# Altium PCB PCB2.PcbDoc
Units mil, origin at the board's own origin, x right, y up, seen from the top; angles counter-clockwise.
Board outline 3921.64 x 3543.17 mil, 2 copper layers (Top Layer, Bottom Layer); 61 components, 33 nets, 187 pads, 5 vias.
Unrouted connection lines stored in the file: 1.
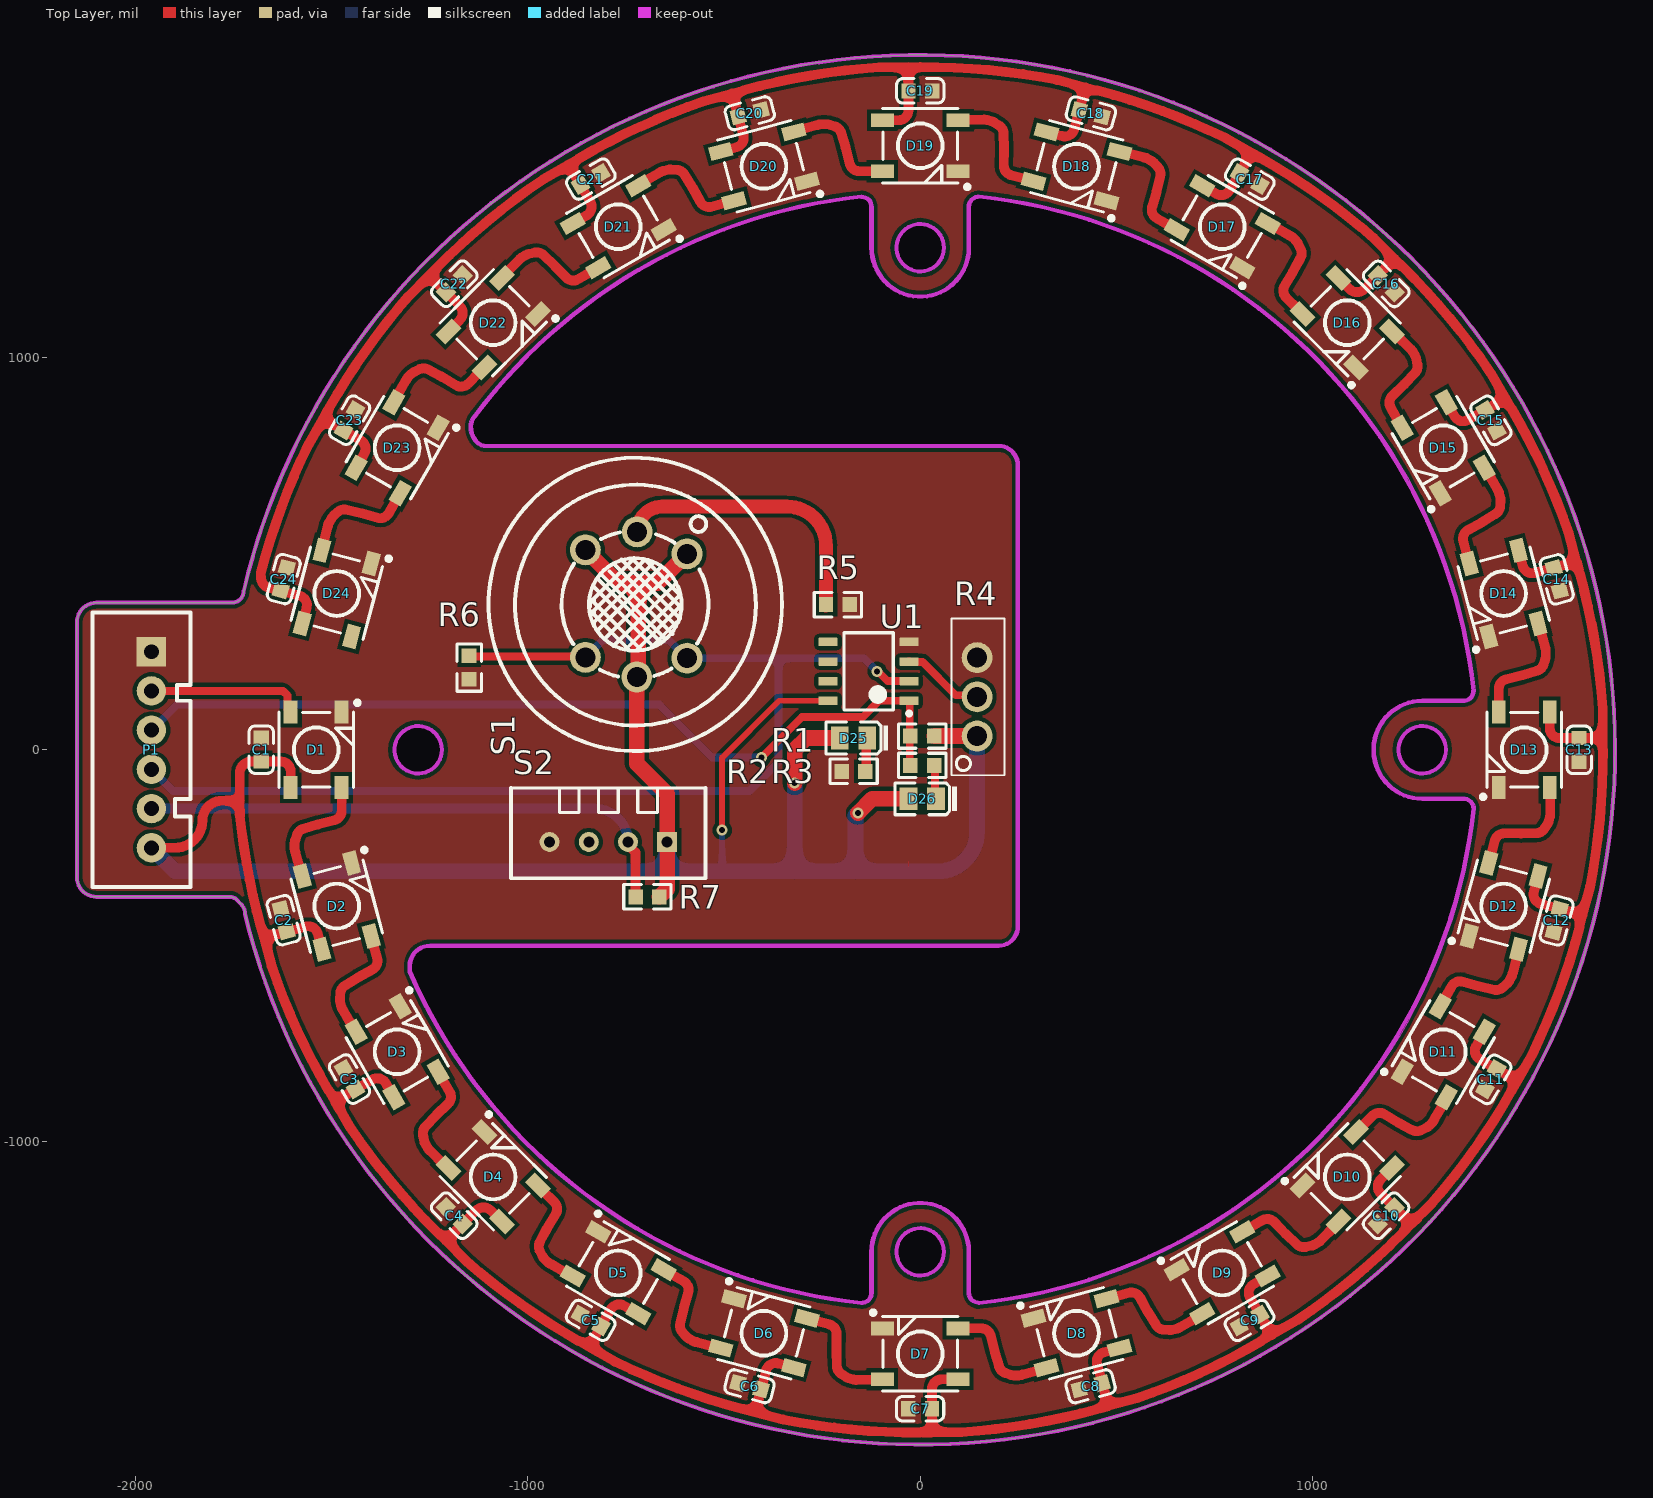
[diagram p0: Top Layer view]
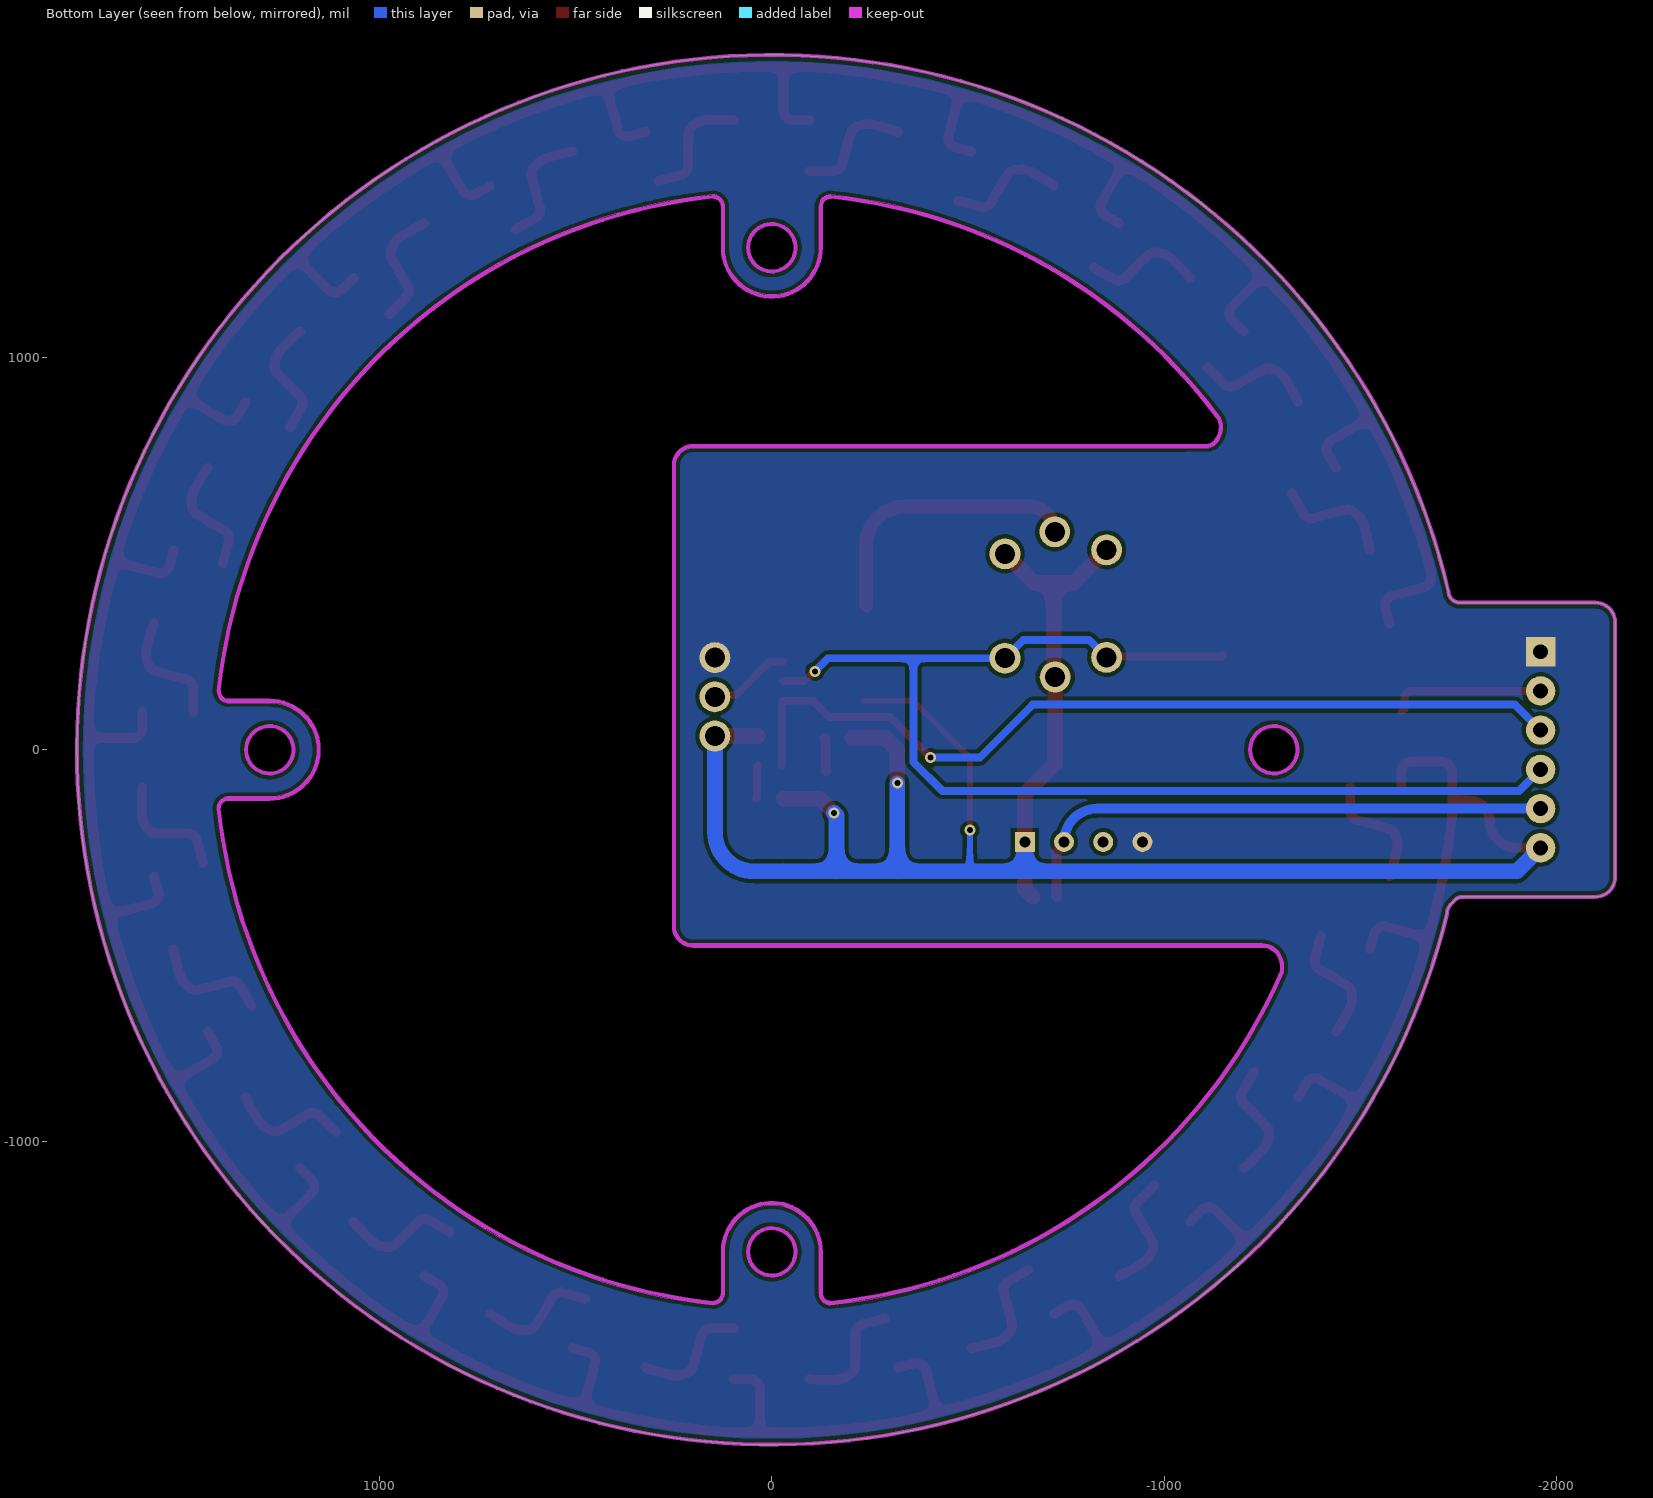
[diagram p1: Bottom Layer view, seen from below]
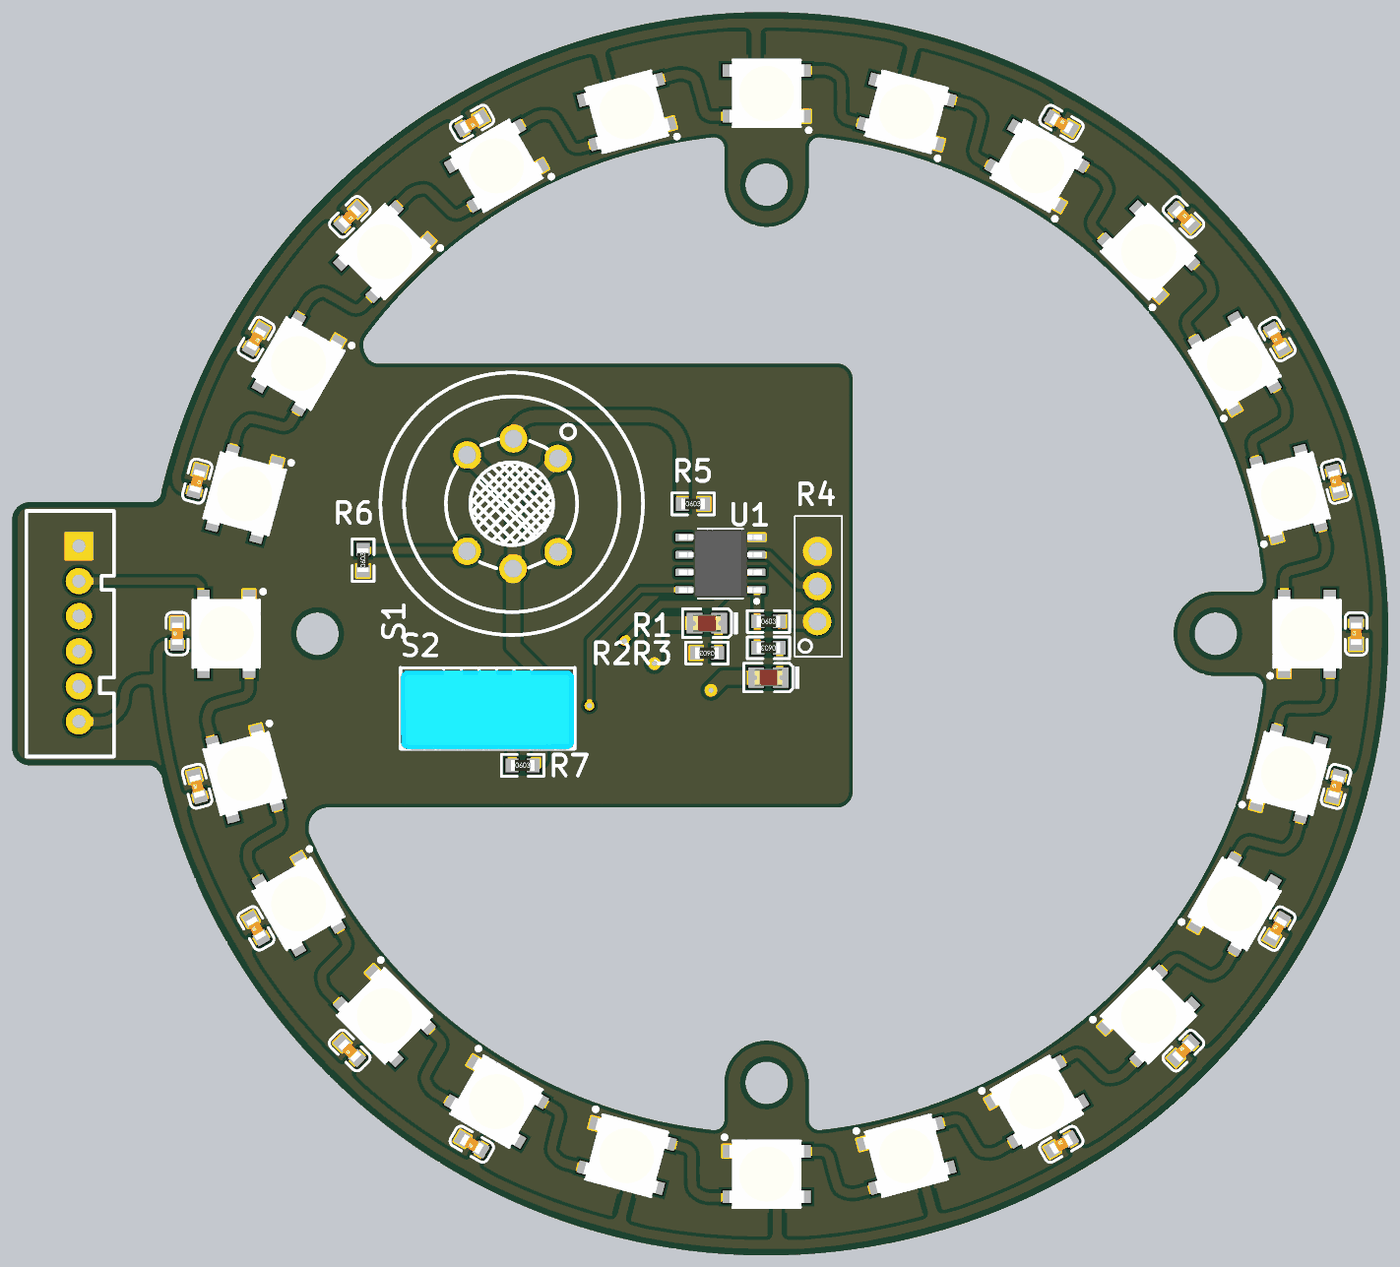
[diagram p2: 3D render of the assembled board from above, using the file's embedded part models]

## Layer stack, top to bottom
Top Solder: solder mask 0.4, Solder Resist, Dk 3.5
Top Layer: signal copper 1.4
Dielectric 1: dielectric 12.6, FR-4, Dk 4.8
Bottom Layer: signal copper 1.4
Bottom Solder: solder mask 0.4, Solder Resist, Dk 3.5

## Board outline
-2100,-375 cw(c-2100,-325) -2150,-325 -2150,325 cw(c-2100,325) -2100,375 -1754.7,375 ccw(c-1754.7,404.94) -1724.75,404.94 cw(c0,0) -1721.37,-419.11 ccw(c-1758.74,-419.11) -1732.31,-392.69 -1742.93,-382.07 ccw(c-1760,-399.14) -1760,-375
cut-out: -1305.22,-565.74 -1305.22,-550 cw(c-1250.21,-550) -1250.21,-494.99 -1250,-494.99 200,-494.99 ccw(c200,-450) 244.98,-450 244.98,725 ccw(c200,725) 200,769.99 -1054.97,769.98 -1108.44,769.98 cw(c-1108.44,802.91) -1131.72,779.63 cw(c-1087.56,823.79) -1150.01,823.79 cw(c-1105.88,823.79) -1137.8,854.27 -1137.17,855.39 cw(c0,0) -150.65,1414.97 -148.64,1414.78 cw(c-150.1,1384.8) -120.09,1384.8 -120.09,1280 ccw(c0,1280) 120.08,1279.11 119.98,1280.2 119.98,1385 cw(c150,1385) 150,1415.02 150.53,1414.99 cw(c0,0) 1414.97,150.65 1414.78,148.64 cw(c1384.8,150.1) 1384.8,120.09 1280,120.09 ccw(c1280,0) 1279.11,-120.08 1280.2,-119.99 1385,-119.99 cw(c1385,-150) 1415.02,-150 1414.99,-150.53 cw(c0,0) 150.65,-1414.97 148.64,-1414.78 cw(c150.1,-1384.8) 120.09,-1384.8 120.09,-1280 ccw(c0,-1280) -120.08,-1279.11 -119.99,-1280.2 -119.99,-1385 cw(c-150,-1385) -150,-1415.02 -150.53,-1414.99 cw(c0,0)
cut-out: 0,1219.57 cw(c0,1280) -60.43,1280 cw(c0,1280) 0,1340.43 cw(c0,1280) 60.43,1280 cw(c0,1280)
cut-out: 1219.57,0 ccw(c1280,0) 1280,-60.43 ccw(c1280,0) 1340.43,0 ccw(c1280,0) 1280,60.43 ccw(c1280,0)
cut-out: -60.43,-1280 ccw(c0,-1280) 0,-1340.43 ccw(c0,-1280) 60.43,-1280 ccw(c0,-1280) 0,-1219.57 ccw(c0,-1280)
cut-out: -1280,-60.43 cw(c-1280,0) -1340.43,0 cw(c-1280,0) -1280,60.43 cw(c-1280,0) -1219.57,0 cw(c-1280,0)

## Design rules (kind name [scope] priority, off if disabled: settings)
Clearance [All] p1: gap=10 ignorepadtopadclearanceinfootprint=FALSE except(0: Arc-Hole Track-Hole SMDPad-Hole THPad-Hole Via-Hole Fill-Hole Poly-Hole Region-Hole Text-Hole)
PlaneConnect [All] p1: planeconnectstyle=Direct reliefexpansion=20 reliefentries=4 reliefconductorwidth=10 reliefairgap=10
PolygonConnect [All] p1: connectstyle=Direct reliefconductorwidth=10 reliefentries=4 polygonreliefangle="90 Angle" airgapwidth=10
RoutingVias [All] p1: holewidth=28 width=50 viastyle="Through Hole" minholewidth=8 minwidth=12 maxholewidth=28 maxwidth=50
SolderMaskExpansion [All] p1: expansion=4 istentingtop=FALSE
Width [All] p1: maxlimit=200 minlimit=10 preferedwidth=20 minimp=50.000000 maximp=50.000000 favimp=50.000000
29 further rules are at their usual default settings.

## Components (designator, comment, footprint, x,y, rotation, side; value= is the part's Value field where it differs from the comment)
C1 "100nF (104) 10% 50V" 0603_C -1680,0.32 r90 top
C2 "100nF (104) 10% 50V" 0603_C -1622.84,-434.51 r105 top
C3 "100nF (104) 10% 50V" 0603_C -1455.08,-839.73 r120 top
C4 "100nF (104) 10% 50V" 0603_C -1188.16,-1187.72 r135 top
C5 "100nF (104) 10% 50V" 0603_C -840.27,-1454.77 r150 top
C6 "100nF (104) 10% 50V" 0603_C -435.12,-1622.67 r345 top
C7 "100nF (104) 10% 50V" 0603_C -0.32,-1680 r0 top
C8 "100nF (104) 10% 50V" 0603_C 434.51,-1622.84 r15 top
C9 "100nF (104) 10% 50V" 0603_C 839.73,-1455.08 r30 top
C10 "100nF (104) 10% 50V" 0603_C 1187.72,-1188.16 r45 top
C11 "100nF (104) 10% 50V" 0603_C 1454.77,-840.27 r60 top
C12 "100nF (104) 10% 50V" 0603_C 1622.67,-435.12 r75 top
C13 "100nF (104) 10% 50V" 0603_C 1680,-0.32 r90 top
C14 "100nF (104) 10% 50V" 0603_C 1622.84,434.51 r105 top
C15 "100nF (104) 10% 50V" 0603_C 1455.08,839.73 r120 top
C16 "100nF (104) 10% 50V" 0603_C 1188.16,1187.72 r315 top
C17 "100nF (104) 10% 50V" 0603_C 840.27,1454.77 r330 top
C18 "100nF (104) 10% 50V" 0603_C 435.12,1622.67 r345 top
C19 "100nF (104) 10% 50V" 0603_C 0.32,1680 r0 top
C20 "100nF (104) 10% 50V" 0603_C -434.51,1622.84 r15 top
C21 "100nF (104) 10% 50V" 0603_C -839.73,1455.08 r210 top
C22 "100nF (104) 10% 50V" 0603_C -1187.72,1188.16 r225 top
C23 "100nF (104) 10% 50V" 0603_C -1454.77,840.27 r240 top
C24 "100nF (104) 10% 50V" 0603_C -1622.67,435.12 r255 top
D1 "WS2812B" 5050-4PIN-WS2812 -1540,0 r90 top
D2 "WS2812B" 5050-4PIN-WS2812 -1487.53,-398.58 r105 top
D3 "WS2812B" 5050-4PIN-WS2812 -1333.68,-770 r120 top
D4 "WS2812B" 5050-4PIN-WS2812 -1088.94,-1088.94 r135 top
D5 "WS2812B" 5050-4PIN-WS2812 -770,-1333.68 r150 top
D6 "WS2812B" 5050-4PIN-WS2812 -398.58,-1487.53 r165 top
D7 "WS2812B" 5050-4PIN-WS2812 0,-1540 r180 top
D8 "WS2812B" 5050-4PIN-WS2812 398.58,-1487.53 r195 top
D9 "WS2812B" 5050-4PIN-WS2812 770,-1333.68 r210 top
D10 "WS2812B" 5050-4PIN-WS2812 1088.94,-1088.94 r225 top
D11 "WS2812B" 5050-4PIN-WS2812 1333.68,-770 r240 top
D12 "WS2812B" 5050-4PIN-WS2812 1487.53,-398.58 r255 top
D13 "WS2812B" 5050-4PIN-WS2812 1540,0 r270 top
D14 "WS2812B" 5050-4PIN-WS2812 1487.53,398.58 r285 top
D15 "WS2812B" 5050-4PIN-WS2812 1333.68,770 r300 top
D16 "WS2812B" 5050-4PIN-WS2812 1088.94,1088.94 r315 top
D17 "WS2812B" 5050-4PIN-WS2812 770,1333.68 r330 top
D18 "WS2812B" 5050-4PIN-WS2812 398.58,1487.53 r345 top
D19 "WS2812B" 5050-4PIN-WS2812 0,1540 r0 top
D20 "WS2812B" 5050-4PIN-WS2812 -398.58,1487.53 r15 top
D21 "WS2812B" 5050-4PIN-WS2812 -770,1333.68 r30 top
D22 "WS2812B" 5050-4PIN-WS2812 -1088.94,1088.94 r45 top
D23 "WS2812B" 5050-4PIN-WS2812 -1333.68,770 r60 top
D24 "WS2812B" 5050-4PIN-WS2812 -1487.53,398.58 r75 top
D25 "蓝灯 0805" 0805_LED_S1 -170.04,30 r180 top
D26 "红灯 0805" 0805_LED_S1 4.96,-125 r180 top
P1 "6PIN" 接线端子(2.54mm)-6PIN -1962.1,-149.35 r90 top
R1 "10KΩ (1002) ±1%" 0603_R 5.31,35 r0 top
R2 "1KΩ (1001) ±1%" 0603_R -170,-55 r180 top
R3 "1KΩ (1001) ±1%" 0603_R 5.32,-40 r180 top
R4 "res" ResV 145,35 r90 top
R5 "5.1Ω (5R10) ±1%" 0603_R -209.69,370 r0 top
R6 "1KΩ (1001) ±1%" 0603_R -1150,209.68 r90 top
R7 "5.1KΩ (5101) ±1%" 0603_R -695.32,-375 r0 top
S1 "Sensor" SENSOR-TH_MQ-2 -724,370.5 r270 top
S2 "temp sensor" SENSOR-TH_DHT11 -795,-235 r180 top
U1 "LM393M" D0008A_L -131.65,200 r180 top

## Footprints (in the part's own frame and the unit in brackets; to place one, negate y for a bottom-side part, rotate by r counter-clockwise, add the part's x,y. Pads: shape width x height; smd on the part's side, far side on the other; paste and mask are expansions set on the pad)
0603_C [mm]
  rect 0.93x0.98 smd: 1(-0.77,0) 2(0.77,0)
  silkscreen extent -1.54,-0.79 1.53,0.79, body extent -0.8,-0.4 0.8,0.4, height 0.3
0603_R [mm]
  rect 0.93x0.98 smd: 1(-0.77,0) 2(0.77,0)
  silkscreen extent -1.53,-0.79 1.54,0.79, body extent -0.85,-0.4 0.85,0.4, height 0.56
0805_LED_S1 [mm]
  rect 1.16x1.47 smd: A(0.89,0) K(-0.89,0)
  silkscreen extent -2.25,-1.04 1.77,1.03, body extent -1.01,-0.62 1.01,0.62, height 1.1
5050-4PIN-WS2812 [mm]
  rect 1.5x0.9 smd: 1(-2.45,1.65) 2(-2.45,-1.65) 3(2.45,-1.65) 4(2.45,1.65)
  silkscreen extent -2.45,-2.79 3.17,2.41, body extent -2.7,-2.5 2.7,2.5, height 1.68
D0008A_L [mm] "SOIC, 8-Leads, Body 5x4mm, Pitch 1.27mm, IPC High Density"
  rrect18% 1.25x0.55 smd: 1(-2.625,1.905) 2(-2.625,0.635) 3(-2.625,-0.635) 4(-2.625,-1.905) 5(2.625,-1.905) 6(2.625,-0.635) 7(2.625,0.635) 8(2.625,1.905)
  silkscreen extent -2.75,-2.5 1.6,2.85, body extent -3,-2.45 3,2.45, height 1.63
ResV [mm]
  round 2 hole 1.3 mask+0.051: 1(0,0) 2(2.54,0) 3(5.08,0)
  silkscreen extent -2.54,-1.78 7.62,1.65
SENSOR-TH_DHT11 [mil]
  rect 51x51 hole 28 mask+2: 1(-150,0)
  round 51 hole 28 mask+2: 2(-50,0) 3(50,0) 4(150,0)
  silkscreen extent -248,-138 248,93, body extent -246,-131 248,95, height 638
SENSOR-TH_MQ-2 [mil]
  round 78.74 hole 51.18 mask+2: 1(-129,129.5) 2(-185,2.5) 3(-139,-129.5) 4(135,-129.5) 5(185,1.5) 6(137,129.5)
  silkscreen extent -374,-376 374,372
接线端子(2.54mm)-6PIN [mil]
  rect 75x75 hole 38: 1(399.35,-2.1)
  round 75 hole 38: 2(299.35,-2.1) 3(199.35,-2.1) 4(99.35,-2.1) 5(-0.65,-2.1) 6(-100.65,-2.1)
  silkscreen extent -201,-102 499,148, body extent -126,-75 425,102, height 236

## Part data
C1 C2 C3 C4 C5 C6 C7 C8 C9 C10 C11 C12 C13 C14 C15 C16 C17 C18 C19 C20 C21 C22 C23 C24: library part "0603 100nF (104) 10% 50V", "贴片电容", Package=0603, SuppliersPartNumber=C14663, ComponentLink1Description=供应商链接, ComponentLink1URL=http://www.szlcsc.com/product/details_15331.html, Supplier=LC
D1 D2 D3 D4 D5 D6 D7 D8 D9 D10 D11 D12 D13 D14 D15 D16 D17 D18 D19 D20 D21 D22 D23 D24: "RGB LED IC"
D25: library part "0805 蓝灯", "发光二极管", Package=0805, SuppliersPartNumber=C2293, ComponentLink1Description=供应商链接, ComponentLink1URL=http://www.szlcsc.com/product/details_2666.html, Supplier=LC
D26: library part "0805 红灯", "发光二极管", Package=0805, SuppliersPartNumber=C2295, ComponentLink1Description=供应商链接, ComponentLink1URL=http://www.szlcsc.com/product/details_2668.html, Supplier=LC
P1: library part 接线端子-6PIN
R1: library part "0603 10KΩ (1002) 1%", "贴片电阻", Package=0603, SuppliersPartNumber=C25804, ComponentLink1Description=供应商链接, ComponentLink1URL=http://www.szlcsc.com/product/details_26547.html, Supplier=LC
R2 R3 R6: library part "0603 1KΩ (1001) 1%", "贴片电阻", Package=0603, SuppliersPartNumber=C21190, ComponentLink1Description=供应商链接, ComponentLink1URL=http://www.szlcsc.com/product/details_21904.html, Supplier=LC
R4: library part RESV-10K
R5: library part "0603 5.1Ω (5R10) 1%", "贴片电阻", Package=0603, SuppliersPartNumber=C25197, ComponentLink1Description=供应商链接, ComponentLink1URL=http://www.szlcsc.com/product/details_25940.html, Supplier=LC
R7: library part "0603 5.1KΩ (5101) 1%", "贴片电阻", Package=0603, SuppliersPartNumber=C23186, ComponentLink1Description=供应商链接, ComponentLink1URL=http://www.szlcsc.com/product/details_23913.html, Supplier=LC
S1: library part MQ-2
S2: library part DHT11
U1: library part CMP-0055-00682-3, "Low Power Low Offset Voltage Dual Comparator, 8-pin Narrow SOIC", Manufacturer="Texas Instruments", Package Reference=D0008A, PackageTopMarking=NSZXTT*LM*393M, PowerWise=N, Code_IPC=SOIC127P600-8, Code_JEDEC=MS-012-AA, ComponentLink1Description="Datasheet URL", ComponentLink1URL=http://www.ti.com/general/docs/lit/getliterature.tsp?genericPartNumber=LM393-N&fileType=pdf, CompType=Amplifiers, PackageDescription="SOIC Narrow, 4.9 x 3.9 x 1.45mm, 8 Lead, 1.27mm Pitch", PinCount=8, RoHS=N

## Via types
v1: diameter 28, hole 15, Top Layer to Bottom Layer, 5 vias

## Nets (pads, with @x,y where several pads share a name; then routed paths per layer and width w, separated by ;. In a path a pad name is that pad's centre, name@x,y a point inside that pad or via, vN(x,y) a via of type N, cw(c..) or ccw(c..) an arc to the next point about the centre after c; other vN are vias at no path point)
+5: C1.1 C2.1 C3.1 C4.1 C5.1 C6.2 C7.2 C8.2 C9.2 C10.2 C11.2 C12.2 C13.2 C14.2 C15.2 C16.1 C17.1 C18.1 C19.1 C20.1 C21.2 C22.2 C23.2 C24.2 D1.1 D2.1 D3.1 D4.1 D5.1 D6.1 D7.1 D8.1 D9.1 D10.1 D11.1 D12.1 D13.1 D14.1 D15.1 D16.1 D17.1 D18.1 D19.1 D20.1 D21.1 D22.1 D23.1 D24.1 D25.A D26.A P1.6 R1.2 R4.1 R7.2 S1.1 S1.3 S1.5 S2.1 U1.8 | length 20680.6
  Top Layer w15: v1(-505,-205) -505,-20 -360,125 U1.8
  Top Layer w25: P1.6 -1900,-250 ccw(c-1900,-180) -1830,-180 cw(c-1780,-180) -1780,-130 -1734.73,-130 ; -1681.38,-450.53 cw(c30.62,17.68) -1734.52,-167.85 -1734.73,-130 ; -1680.71,-450.35 -1672.91,-479.44 ; -1675.48,423.22 ccw(c-1654.71,437.14) -1661.18,412.99 -1637.35,406.6 C24.2 -1582.18,392.89 cw(c-1588.66,368.74) -1564.51,362.27 D24.1 ; -1675.5,423.24 -1676.26,424.39 cw(c-1655.5,438.32) -1680.44,436.58 -1680.45,436.65 -1681.38,450.52 cw(c35.36,0) -1559.38,779.07 -1521.95,843.91 ; C2.1 -1566.66,-450.84 cw(c-1560.19,-474.99) -1536.04,-468.52 D2.1 ; C2.1@-1608.29,-462.58 C2.1 -1621.52,-465.67 -1672.91,-479.44 ; D1.1 -1605,-55 ccw(c-1630,-55) -1630,-30 C1.1 -1705,-30 ccw(c-1705,-60) -1735,-60 -1735,-80 -1734.84,-109.92 -1734.73,-130 ; -1507.48,-870.35 cw(c25,25) -1653.53,-551.77 -1672.91,-479.44 ; -1507.48,870.34 cw(c34.15,-9.15) -1304.61,1156.12 -1251.67,1209.07 ; -1506.88,-870 -1491.82,-896.09 ; -1506.88,870 -1521.95,843.91 ; C23.2@-1475.86,817.31 -1521.95,843.91 ; C23.2 -1426.59,789 cw(c-1439.09,767.35) -1417.44,754.85 D23.1 ; C3.1@-1445.74,-869.48 -1491.82,-896.09 ; C3.1 -1396.59,-840.96 cw(c-1384.09,-862.61) -1362.44,-850.11 D3.1 ; -1230.85,-1230.86 cw(c17.68,30.62) -1454.38,-960.93 -1491.82,-896.09 ; -1230.86,1230.85 cw(c30.62,-17.68) -960.93,1454.38 -896.09,1491.82 ; -1230.37,-1230.37 -1209.07,-1251.67 ; -1230.37,1230.37 -1251.67,1209.07 ; C22.2@-1214.04,1171.44 -1251.67,1209.07 ; C22.2@-1209.12,1166.7 -1173.77,1131.34 cw(c-1191.45,1113.66) -1173.77,1095.99 D22.1 ; C4.1@-1171.44,-1214.04 -1209.07,-1251.67 ; C4.1@-1166.7,-1209.12 -1131.34,-1173.77 cw(c-1113.66,-1191.45) -1095.99,-1173.77 D4.1 ; D21.1 -850.11,1362.44 ccw(c-862.61,1384.09) -840.96,1396.59 C21.2 ; -870.34,-1507.48 cw(c9.15,34.15) -1156.12,-1304.61 -1209.07,-1251.67 ; -870,-1506.88 -843.91,-1521.95 ; -870,1506.88 -896.09,1491.82 ; C21.2@-869.48,1445.74 -896.09,1491.82 ; C5.1@-817.31,-1475.86 -843.91,-1521.95 ; C5.1 -789,-1426.59 cw(c-767.35,-1439.09) -754.85,-1417.44 D5.1 ; D20.1 -468.52,1536.04 ccw(c-474.99,1560.19) -450.84,1566.66 C20.1 ; C20.1@-465.67,1621.52 -479.44,1672.91 ; -450.53,1681.38 cw(c17.68,-30.62) -105,1740 -30.12,1740 ; -450.52,-1681.38 cw(c0,35.36) -779.07,-1559.38 -843.91,-1521.95 ; -450.35,-1680.71 -421.25,-1688.51 ; -450.35,1680.71 -479.44,1672.91 ; C6.2@-407.48,-1637.11 -421.25,-1688.51 ; C6.2 -392.89,-1582.18 cw(c-368.74,-1588.66) -362.27,-1564.51 D6.1 ; -348.93,-1707.89 -421.25,-1688.51 ; -348.92,-1707.89 ccw(c-9.15,34.15) 0,-1740.69 ; D19.1 -55,1604.96 ccw(c-55,1629.96) -30,1629.96 C19.1 ; C19.1@-30.12,1686.79 -30.12,1740 ; 0,-1740 30.12,-1740 ; 0,1740 -30.12,1740 ; 0,1740.69 cw(c9.15,-34.15) 348.92,1707.89 ; C7.2 30,-1629.96 cw(c55,-1629.96) 55,-1604.96 D7.1 ; C7.2@30.12,-1686.79 30.12,-1740 ; D18.1 362.27,1564.51 ccw(c368.74,1588.66) 392.89,1582.19 C18.1 ; 348.93,1707.89 421.25,1688.51 ; C18.1@407.48,1637.11 421.25,1688.51 ; 450.35,-1680.71 479.44,-1672.91 ; 450.35,1680.71 421.25,1688.51 ; 450.52,1681.38 cw(c0,-35.36) 779.07,1559.38 843.91,1521.95 ; 450.53,-1681.38 cw(c-17.68,30.62) 105,-1740 30.12,-1740 ; C8.2 450.84,-1566.66 cw(c474.99,-1560.19) 468.52,-1536.04 D8.1 ; C8.2@465.67,-1621.52 479.44,-1672.91 ; D17.1 754.85,1417.44 ccw(c767.35,1439.09) 789,1426.59 C17.1 ; C17.1@817.31,1475.86 843.91,1521.95 ; C9.2 840.96,-1396.59 cw(c862.61,-1384.09) 850.11,-1362.44 D9.1 ; C9.2@869.48,-1445.74 896.09,-1491.82 ; 870,-1506.88 896.09,-1491.82 ; 870,1506.88 843.91,1521.95 ; 870.35,-1507.48 cw(c-25,25) 551.77,-1653.53 479.44,-1672.91 ; 870.34,1507.48 cw(c-9.15,-34.15) 1156.12,1304.61 1209.07,1251.67 ; D16.1 1095.99,1173.77 ccw(c1113.66,1191.45) 1131.34,1173.77 C16.1@1166.7,1209.12 ; C16.1@1171.44,1214.04 1209.07,1251.67 ; D10.1 1173.77,-1095.99 ccw(c1191.45,-1113.66) 1173.77,-1131.34 C10.2@1209.12,-1166.7 ; C10.2@1214.04,-1171.44 1251.67,-1209.07 ; 1230.37,-1230.37 1251.67,-1209.07 ; 1230.37,1230.37 1209.07,1251.67 ; 1230.86,-1230.85 cw(c-30.62,17.68) 960.93,-1454.38 896.09,-1491.82 ; 1230.85,1230.86 cw(c-17.68,-30.62) 1454.38,960.93 1491.82,896.09 ; D15.1 1362.44,850.11 ccw(c1384.09,862.61) 1396.59,840.96 C15.2 ; D11.1 1417.44,-754.85 ccw(c1439.09,-767.35) 1426.59,-789 C11.2 ; C15.2@1445.74,869.48 1491.82,896.09 ; C11.2@1475.86,-817.31 1521.95,-843.91 ; 1506.88,-870 1521.95,-843.91 ; 1506.88,870 1491.82,896.09 ; 1507.48,-870.34 cw(c-34.15,9.15) 1304.61,-1156.12 1251.67,-1209.07 ; 1507.48,870.35 cw(c-25,-25) 1653.53,551.77 1672.91,479.44 ; D14.1 1536.04,468.52 ccw(c1560.19,474.99) 1566.66,450.84 C14.2 ; D12.1 1564.51,-362.27 ccw(c1588.66,-368.74) 1582.19,-392.89 C12.2 ; D13.1 1604.96,55 ccw(c1629.96,55) 1629.96,30 C13.2 ; C14.2@1621.52,465.67 1672.91,479.44 ; C12.2@1637.11,-407.48 1688.51,-421.25 ; 1680.71,-450.35 1688.51,-421.25 ; 1680.71,450.35 1672.91,479.44 ; 1681.38,-450.52 cw(c-35.36,0) 1559.38,-779.07 1521.95,-843.91 ; 1681.38,450.53 cw(c-30.62,-17.68) 1740,105 1740,30.12 ; C13.2@1686.79,30.12 1740,30.12 ; 1707.89,-348.93 1688.51,-421.25 ; 1707.89,-348.92 ccw(c-34.15,-9.15) 1740.69,0 ; 1740,0 1740,30.12 ; -551.77,1653.53 ccw(c25,-25) -870.35,1507.48 cw(c25,-25) -551.77,1653.53 ; -551.77,1653.53 -479.44,1672.91
  Top Layer w40: S1.3 -769,425 -719,425 ; R7.2 -645,-355 S2.1 -645,-112.73 -722.5,-35.23 S1.5 -719,189 -719,425 ; S1.1 -669,425 -719,425 ; v1(-320,-85) -320,0 -290,30 D25.A ; v1(-158.69,-161.1) -122.59,-125 D26.A ; R1.2 R4.1
  Bottom Layer w15: -505,-310 v1(-505,-205)
  Bottom Layer w40: P1.6 -1900,-310 -645,-310 ; S2.1 -645,-310 ; v1(-320,-85) -320,-310 ; v1(-158.69,-161.1) -165,-167.41 -165,-310 ; R4.1 145,-210 cw(c45,-210) 45,-310 -165,-310 ; -645,-310 -505,-310 -320,-310 ; -320,-310 -165,-310
AnalogOut: P1.4 R6.2 S1.4 S1.6 U1.2 | length 3102.4
  Top Layer w20: R6.2 -1147.75,237.75 -855.75,237.75 S1.4 ; v1(-110,200) -107.91,200 -82.91,175 U1.2
  Bottom Layer w20: P1.4 -1905,-105 -435,-105 -361,-31 -361,233.5 ; S1.4 -809,280 -641,280 S1.6 -361,233.5 ; v1(-110,200) -143.5,233.5 -361,233.5
DATA: P1.5 R7.1 S2.2 | length 1411.5
  Top Layer w25: S2.2 -745,-242.04 -725.63,-261.41 R7.1
  Bottom Layer w25: P1.5 -830,-150 cw(c-830,-235) S2.2
DigtalOut: P1.3 R1.1 R3.2 U1.1 | length 2241.5
  Top Layer w20: v1(-405,-20) -301.73,83.27 -146.73,83.27 -105,125 U1.1 -27.48,125 -26.65,124.17 -26.65,35 -26.65,-38.35 R3.2
  Bottom Layer w20: P1.3 -1895,115 -665,115 -530,-20 v1(-405,-20)
DIN: D1.4 P1.2 | length 397.2
  Top Layer w20: P1.2 -1624.39,150 -1612.68,138.28 -1612.68,104.17 D1.4
GND: C1.2 C2.2 C3.2 C4.2 C5.2 C6.1 C7.1 C8.1 C9.1 C10.1 C11.1 C12.1 C13.1 C14.1 C15.1 C16.2 C17.2 C18.2 C19.2 C20.2 C21.1 C22.1 C23.1 C24.1 D1.3 D2.3 D3.3 D4.3 D5.3 D6.3 D7.3 D8.3 D9.3 D10.3 D11.3 D12.3 D13.3 D14.3 D15.3 D16.3 D17.3 D18.3 D19.3 D20.3 D21.3 D22.3 D23.3 D24.3 P1.1 R2.2 R4.3 R5.2 R6.1 S2.4 U1.4
NetD1_2: D1.2 D2.4 | length 305.1
  Top Layer w25: D2.4 -1580.96,-306.13 -1593,-261.19 cw(c-1570,-251.4) -1595,-251.4 -1595,-239.06 cw(c-1570,-239.06) -1593.72,-231.15 -1589.1,-217.31 cw(c-1565.39,-225.22) -1572.57,-201.27 -1535.56,-190.17 ; -1534.44,-189.86 -1493.98,-179.75 ccw(c-1500,-155.48) -1475,-155.48 -1475,-113.48 D1.2
NetD2_2: D2.2 D3.4 | length 306.3
  Top Layer w25: D3.4 -1447.86,-704.88 -1471.12,-664.59 cw(c-1451.44,-649.18) -1475.58,-655.65 -1478.78,-643.73 cw(c-1454.63,-637.26) -1479.59,-635.76 -1478.71,-621.2 cw(c-1453.76,-622.69) -1466.89,-601.42 -1434.02,-581.12 cw(c-1420.88,-602.39) -1433.06,-580.56 -1433.01,-580.53 -1396.55,-560.29 ccw(c-1408.65,-538.41) -1384.5,-531.94 -1395.37,-491.37 D2.2
NetD3_2: D3.2 D4.4 | length 306.3
  Top Layer w25: D3.2 -1220.65,-835.78 -1199.65,-872.15 cw(c-1221.3,-884.65) -1203.95,-902.66 -1233.93,-931.64 -1233.97,-931.68 ccw(c-1216.55,-949.61) -1234.75,-932.47 -1261.25,-960.59 ccw(c-1243.06,-977.74) -1267.55,-982.75 -1264.62,-997.04 ccw(c-1240.13,-992.03) -1261.78,-1004.53 -1255.61,-1015.22 ccw(c-1233.96,-1002.72) -1248.99,-1022.7 -1216.09,-1055.6 D4.4
NetD4_2: D4.2 D5.4 | length 306.3
  Top Layer w25: D4.2 -962.74,-1123.23 -933.04,-1152.92 cw(c-950.72,-1170.6) -929.31,-1183.5 -950.76,-1219.26 -950.79,-1219.31 ccw(c-929.32,-1232.12) -951.33,-1220.27 -969.66,-1254.3 ccw(c-947.64,-1266.15) -970,-1277.33 -963.48,-1290.38 ccw(c-941.12,-1279.2) -958.8,-1296.87 -950.07,-1305.6 ccw(c-932.39,-1287.93) -941.73,-1311.11 -901.44,-1334.38 D5.4
NetD5_2: D5.2 D6.4 | length 306.3
  Top Layer w25: D5.2@-653.99,-1325.65 -639.22,-1334.13 -602.85,-1355.13 cw(c-615.35,-1376.78) -591.33,-1383.7 -602.8,-1423.79 -602.81,-1423.84 ccw(c-578.76,-1430.67) -603.09,-1424.91 -611.98,-1462.52 ccw(c-587.65,-1468.27) -606.35,-1484.86 -596.68,-1495.78 ccw(c-577.97,-1479.19) -590.47,-1500.84 -579.78,-1507.01 ccw(c-567.28,-1485.36) -570.3,-1510.18 -525.37,-1522.22 D6.4
NetD6_2: D6.2 D7.4 | length 306.3
  Top Layer w25: D6.2 -272.14,-1454.11 -231.58,-1464.98 cw(c-238.05,-1489.13) -213.05,-1489.6 -213.75,-1531.29 -213.75,-1531.34 ccw(c-188.75,-1531.71) -213.74,-1532.45 -212.6,-1571.08 ccw(c-187.61,-1570.34) -201.38,-1591.2 -189.21,-1599.24 ccw(c-175.43,-1578.38) -181.91,-1602.52 -169.98,-1605.72 ccw(c-163.51,-1581.57) -160.01,-1606.32 -113.48,-1606.33 D7.4
NetD7_2: D7.2 D8.4 | length 306.3
  Top Layer w25: D7.2 113.48,-1475 155.48,-1475 cw(c155.48,-1500) 179.75,-1493.98 189.86,-1534.44 189.87,-1534.49 ccw(c214.11,-1528.37) 190.17,-1535.56 201.27,-1572.57 ccw(c225.22,-1565.39) 217.31,-1589.1 231.15,-1593.72 ccw(c239.06,-1570) 239.06,-1595 251.4,-1595 ccw(c251.4,-1570) 261.19,-1593 306.13,-1580.96 D8.4
NetD8_2: D8.2 D9.4 | length 306.3
  Top Layer w25: D8.2 491.37,-1395.37 531.94,-1384.5 cw(c538.41,-1408.65) 560.29,-1396.55 580.53,-1433.01 580.56,-1433.06 ccw(c602.39,-1420.88) 581.12,-1434.02 601.42,-1466.89 ccw(c622.69,-1453.76) 621.2,-1478.71 635.76,-1479.59 ccw(c637.26,-1454.63) 643.73,-1478.78 655.65,-1475.58 ccw(c649.18,-1451.44) 664.59,-1471.12 704.88,-1447.86 D9.4
NetD9_2: D9.2 D10.4 | length 306.3
  Top Layer w25: D9.2 835.78,-1220.65 872.15,-1199.65 cw(c884.65,-1221.3) 902.66,-1203.95 931.64,-1233.93 931.68,-1233.97 ccw(c949.61,-1216.55) 932.47,-1234.75 960.59,-1261.25 ccw(c977.74,-1243.06) 982.75,-1267.55 997.04,-1264.62 ccw(c992.03,-1240.13) 1004.53,-1261.78 1015.22,-1255.61 ccw(c1002.72,-1233.96) 1022.7,-1248.99 1055.6,-1216.09 D10.4
NetD10_2: D10.2 D11.4 | length 306.3
  Top Layer w25: D10.2 1123.23,-962.74 1152.92,-933.04 cw(c1170.6,-950.72) 1183.5,-929.31 1219.26,-950.76 1219.31,-950.79 ccw(c1232.12,-929.32) 1220.27,-951.33 1254.3,-969.65 ccw(c1266.15,-947.64) 1277.33,-970 1290.38,-963.48 ccw(c1279.2,-941.12) 1296.87,-958.8 1305.6,-950.07 ccw(c1287.93,-932.39) 1311.11,-941.73 1334.38,-901.44 D11.4
NetD11_2: D11.2 D12.4 | length 306.3
  Top Layer w25: D11.2@1325.65,-653.99 1334.13,-639.22 1355.13,-602.85 cw(c1376.78,-615.35) 1383.7,-591.33 1423.79,-602.8 1423.84,-602.81 ccw(c1430.67,-578.76) 1424.91,-603.09 1462.52,-611.98 ccw(c1468.27,-587.65) 1484.86,-606.35 1495.77,-596.68 ; 1495.78,-596.68 ccw(c1479.19,-577.97) 1500.84,-590.47 1507.01,-579.78 ccw(c1485.36,-567.28) 1510.18,-570.3 1522.22,-525.37 D12.4
NetD12_2: D12.2 D13.4 | length 306.3
  Top Layer w25: D12.2 1454.11,-272.14 1464.98,-231.58 cw(c1489.13,-238.05) 1489.6,-213.05 1531.29,-213.75 1531.34,-213.75 ccw(c1531.71,-188.75) 1532.45,-213.74 1571.08,-212.6 ccw(c1570.34,-187.61) 1591.2,-201.38 1599.24,-189.21 ccw(c1578.38,-175.43) 1602.52,-181.91 1605.72,-169.98 ccw(c1581.57,-163.51) 1606.32,-160.01 1606.32,-113.48 D13.4
NetD13_2: D13.2 D14.4 | length 306.3
  Top Layer w25: D13.2 1475,113.48 1475,155.48 cw(c1500,155.48) 1493.98,179.75 1534.44,189.86 1534.49,189.87 ccw(c1528.37,214.11) 1535.56,190.17 1572.57,201.27 ccw(c1565.39,225.22) 1589.1,217.31 1593.72,231.15 ccw(c1570,239.06) 1595,239.06 1595,251.4 ccw(c1570,251.4) 1593,261.19 1580.96,306.13 D14.4
NetD14_2: D14.2 D15.4 | length 306.3
  Top Layer w25: D14.2 1395.37,491.37 1384.5,531.94 cw(c1408.65,538.41) 1396.55,560.29 1433.01,580.53 1433.06,580.56 ccw(c1420.88,602.39) 1434.02,581.12 1466.89,601.42 ccw(c1453.76,622.69) 1478.71,621.2 1479.59,635.76 ccw(c1454.63,637.26) 1478.78,643.73 1475.58,655.65 ccw(c1451.44,649.18) 1471.12,664.59 1447.86,704.88 D15.4
NetD15_2: D15.2 D16.4 | length 306.3
  Top Layer w25: D16.4 1216.09,1055.6 1248.99,1022.7 cw(c1233.96,1002.72) 1255.61,1015.22 1261.78,1004.53 cw(c1240.13,992.03) 1264.62,997.04 1267.55,982.75 cw(c1243.06,977.74) 1261.25,960.59 1234.75,932.47 cw(c1216.55,949.61) 1233.97,931.68 1233.93,931.64 1203.95,902.66 ccw(c1221.3,884.65) 1199.65,872.15 1220.65,835.78 D15.2
NetD16_2: D16.2 D17.4 | length 306.3
  Top Layer w25: D17.4 901.44,1334.38 941.73,1311.11 cw(c932.39,1287.93) 950.07,1305.6 958.8,1296.87 cw(c941.12,1279.2) 963.48,1290.38 970,1277.33 cw(c947.64,1266.15) 969.65,1254.3 951.33,1220.27 cw(c929.32,1232.12) 950.79,1219.31 950.76,1219.26 929.31,1183.5 ccw(c950.72,1170.6) 933.04,1152.92 962.74,1123.23 D16.2
NetD17_2: D17.2 D18.4 | length 306.3
  Top Layer w25: D18.4 525.37,1522.22 570.3,1510.18 cw(c567.28,1485.36) 579.78,1507.01 590.47,1500.84 cw(c577.97,1479.19) 596.68,1495.78 ; 596.68,1495.77 606.35,1484.86 cw(c587.65,1468.27) 611.98,1462.52 603.09,1424.91 cw(c578.76,1430.67) 602.81,1423.84 602.8,1423.79 591.33,1383.7 ccw(c615.35,1376.78) 602.85,1355.13 639.22,1334.13 D17.2@653.99,1325.65
NetD18_2: D18.2 D19.4 | length 306.3
  Top Layer w25: D19.4 113.48,1606.32 160.01,1606.32 cw(c163.51,1581.57) 169.98,1605.72 181.91,1602.52 cw(c175.43,1578.38) 189.21,1599.24 201.38,1591.2 cw(c187.61,1570.34) 212.6,1571.08 213.74,1532.45 cw(c188.75,1531.71) 213.75,1531.34 213.75,1531.29 213.05,1489.6 ccw(c238.05,1489.13) 231.58,1464.98 272.14,1454.11 D18.2
NetD19_2: D19.2 D20.4 | length 306.3
  Top Layer w25: D20.4 -306.13,1580.96 -261.19,1593 cw(c-251.4,1570) -251.4,1595 -239.06,1595 cw(c-239.06,1570) -231.15,1593.72 -217.31,1589.1 cw(c-225.22,1565.39) -201.27,1572.57 -190.17,1535.56 cw(c-214.11,1528.37) -189.87,1534.49 -189.86,1534.44 -179.75,1493.98 ccw(c-155.48,1500) -155.48,1475 -113.48,1475 D19.2
NetD20_2: D20.2 D21.4 | length 306.3
  Top Layer w25: D21.4 -704.88,1447.86 -664.59,1471.12 cw(c-649.18,1451.44) -655.65,1475.58 -643.73,1478.78 cw(c-637.26,1454.63) -635.76,1479.59 -621.2,1478.71 cw(c-622.69,1453.76) -601.42,1466.89 -581.12,1434.02 cw(c-602.39,1420.88) -580.56,1433.06 -580.53,1433.01 -560.29,1396.55 ccw(c-538.41,1408.65) -531.94,1384.5 -491.37,1395.37 D20.2
NetD21_2: D21.2 D22.4 | length 306.3
  Top Layer w25: D22.4 -1055.6,1216.09 -1022.7,1248.99 cw(c-1002.72,1233.96) -1015.22,1255.61 -1004.53,1261.78 cw(c-992.03,1240.13) -997.04,1264.62 -982.75,1267.55 cw(c-977.74,1243.06) -960.59,1261.25 -932.47,1234.75 cw(c-949.61,1216.55) -931.68,1233.97 -931.64,1233.93 -902.66,1203.95 ccw(c-884.65,1221.3) -872.15,1199.65 -835.78,1220.65 D21.2
NetD22_2: D22.2 D23.4 | length 306.3
  Top Layer w25: D23.4 -1334.38,901.44 -1311.11,941.73 cw(c-1287.93,932.39) -1305.6,950.07 -1296.87,958.8 cw(c-1279.2,941.12) -1290.38,963.48 -1277.33,970 cw(c-1266.15,947.64) -1254.3,969.65 -1220.27,951.33 cw(c-1232.12,929.32) -1219.31,950.79 -1219.26,950.76 -1183.5,929.31 ccw(c-1170.6,950.72) -1152.92,933.04 -1123.23,962.74 D22.2
NetD23_2: D23.2 D24.4 | length 306.3
  Top Layer w25: D24.4 -1522.22,525.37 -1510.18,570.3 cw(c-1485.36,567.28) -1507.01,579.78 -1500.84,590.47 cw(c-1479.19,577.97) -1495.78,596.68 ; -1495.77,596.68 -1484.86,606.35 cw(c-1468.27,587.65) -1462.52,611.98 -1424.91,603.09 cw(c-1430.67,578.76) -1423.84,602.81 -1423.79,602.8 -1383.7,591.33 ccw(c-1376.78,615.35) -1355.13,602.85 -1334.13,639.22 D23.2@-1325.65,653.99
NetD25_K: D25.K R2.1 | length 86.9
  Top Layer w25: R2.1 -137.34,-52.66 -137.34,27.66 D25.K
NetD26_K: D26.K R3.1 | length 86.8
  Top Layer w20: R3.1 37.82,-42.18 37.82,-122.82 D26.K
NetR4_2: R4.2 U1.3 | length 210.6
  Top Layer w20: U1.3 -27.48,224.17 5.83,224.17 90.95,139.05 140.95,139.05 R4.2
NetR5_1: R5.1 S1.2 | length 727.8
  Top Layer w35: S1.2 cw(c-657,555.5) -657,620 -340,620 cw(c-340,520) -240,520 R5.1 -240,369.02 R5.1@-241.02,368
pads on no net: D24.2 S2.3 U1.5 U1.6 U1.7

## Polygon pours and split planes (outlines as drawn)
GND on Bottom Layer "BOTTOM-GND" (solid, pour order 1): -2100,-375 cw(c-2100,-325) -2150,-325 -2150,325 cw(c-2100,325) -2100,375 -1754.7,375 ccw(c-1754.7,404.94) -1724.75,404.94 cw(c0,0) -1721.37,-419.11 ccw(c-1758.74,-419.11) -1732.31,-392.69 -1742.93,-382.07 ccw(c-1760,-399.14) -1760,-375
GND on Top Layer "TOP-GND" (solid, pour order 0): -2100,-375 cw(c-2100,-325) -2150,-325 -2150,325 cw(c-2100,325) -2100,375 -1754.7,375 ccw(c-1754.7,404.94) -1724.75,404.94 cw(c0,0) -1721.37,-419.11 ccw(c-1758.74,-419.11) -1732.31,-392.69 -1742.93,-382.07 ccw(c-1760,-399.14) -1760,-375

## Keep-outs
Keep-Out Layer:
  circle w10: c0,1280 r60.43
  circle w10: c-1280,0 r60.43
  circle w10: c0,-1280 r60.43
  circle w10: c1280,0 r60.43
  pour cut-out: -1280,-60.43 cw(c-1280,0) -1340.43,0 cw(c-1280,0) -1280,60.43 cw(c-1280,0) -1219.57,0 cw(c-1280,0)
  lines w10: -150.1,1409.8 cw(c-150.1,1384.8) -125.1,1384.8 -125.1,1280 ccw(c0,1280) 125.1,1280 cw(c125.1,1280.1) 125,1280.1 ; -150.12,1409.99 ccw(c0,0) -1133.16,852.38 cw(c-1134.46,852.38) -1133.54,851.46 ccw(c-1105.88,823.79) -1145,823.79 ccw(c-1087.56,823.79) -1128.17,783.17 ccw(c-1108.44,802.91) -1108.44,775 -1080,775 ; -125.1,-1280.1 cw(c-125.1,-1280.2) -125,-1280.2 -125,-1385 cw(c-150,-1385) -150,-1410 cw(c0,0) -1300.21,-565.74 -1300.21,-550 cw(c-1250.21,-550) -1250.21,-500 -1250,-500 200,-500 ccw(c200,-450) 250,-450 250,725 ccw(c200,725) 200,775 -1075,775 -1080,775 ; -125,-1280.1 ccw(c-125.1,-1280.1) -125.1,-1280 cw(c0,-1280) 125.1,-1280 125.1,-1384.8 ccw(c150.1,-1384.8) 150.1,-1409.8 ; 125.1,1280.1 cw(c125.1,1280.2) 125,1280.2 125,1385 cw(c150,1385) 150,1410 cw(c0,0) 1409.99,150.12 ; 150.12,-1409.99 ccw(c0,0) 1410,-150 ccw(c1385,-150) 1385,-125 1280.2,-125 ccw(c1280.2,-125.1) 1280.1,-125.1 ; 1280.1,-125 ccw(c1280.1,-125.1) 1280,-125.1 cw(c1280,0) 1280,125.1 1384.8,125.1 ccw(c1384.8,150.1) 1409.8,150.1 ; -1080,775 -1055,775 ; -1055,775 ccw(c-1055,775) -1055,775 ; -2150,-325 ccw(c-2100,-325) -2100,-375 -1760,-375 cw(c-1760,-399.14) -1742.93,-382.07 -1732.31,-392.69 cw(c-1758.74,-419.11) -1721.37,-419.11 ccw(c0,0) -1724.75,404.94 cw(c-1754.7,404.94) -1754.7,375 -1775,375 -2100,375 ccw(c-2100,325) -2150,325 -2150,-325

## Silkscreen, mask and mechanical layers (free items; w line width, h text height)
Mechanical 1:
  drawing of 582 lines, arcs and shapes, not listed